# Altium PCB openmv-ae3.PcbDoc (part 3 of 5)
Units mil, origin at the board's own origin, x right, y up, seen from the top; angles counter-clockwise.
Board outline 1400 x 1750 mil, 10 copper layers (Top, L2G, L3V, L4P, L5H, L6V, L7P, L8H, L9G, Bottom Layer), stack 46.28 mil thick; 351 components, 311 nets, 1344 pads, 643 vias.
Unrouted connection lines stored in the file: 8.
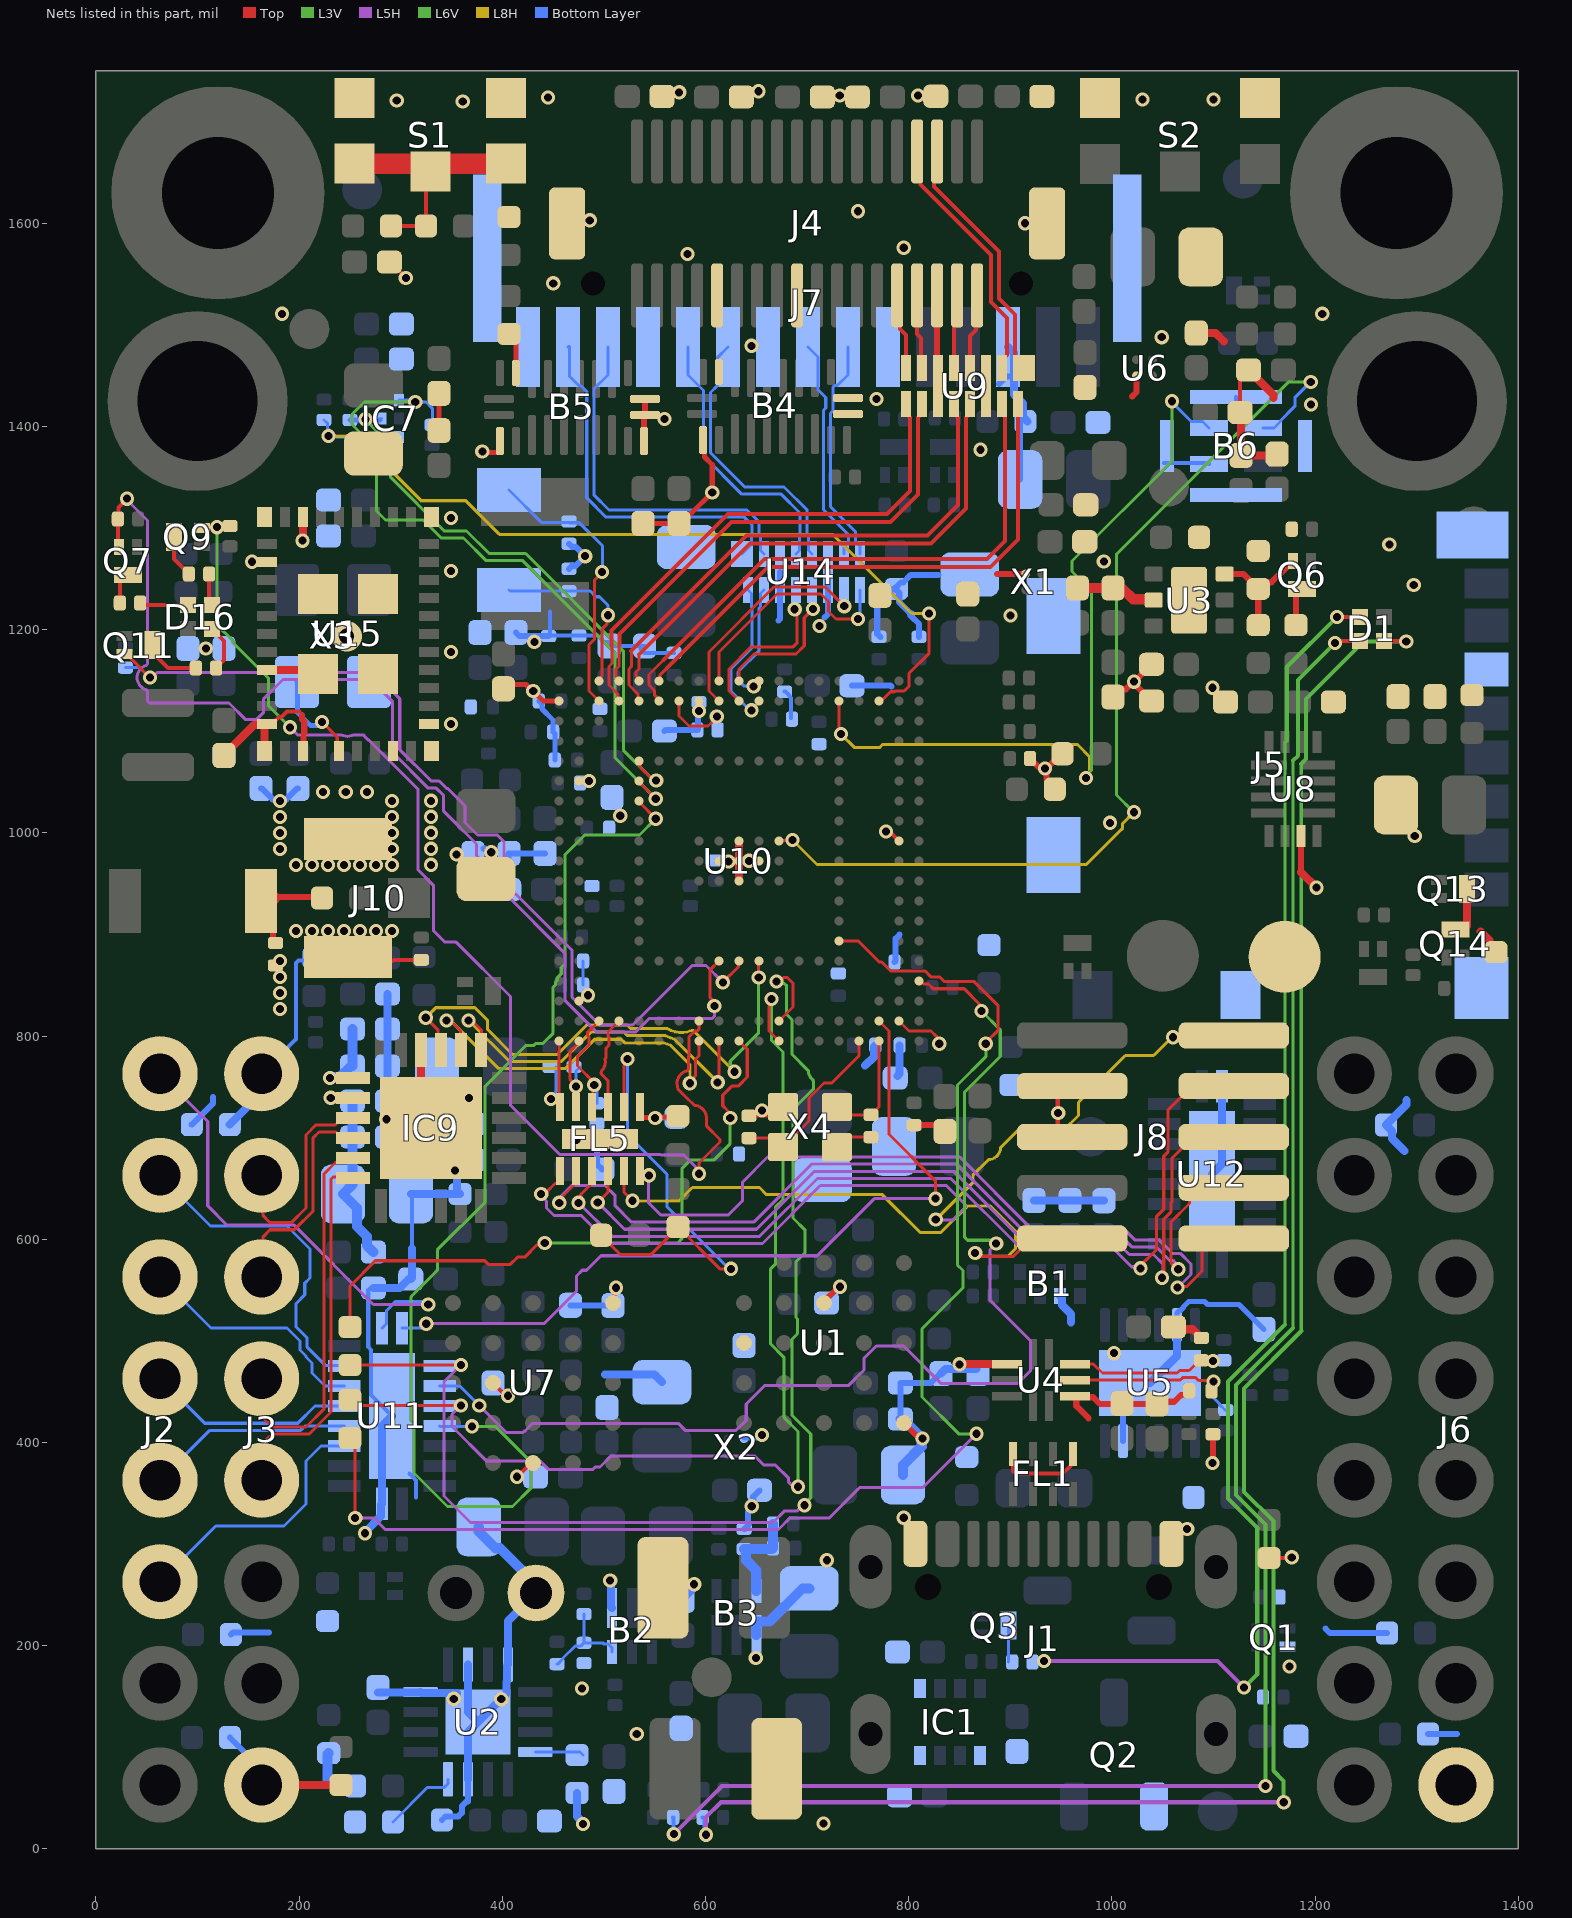
[diagram p11: the nets of this part, all layers, seen from the top]

## Via types
v1: diameter 14, hole 8, Top to Bottom Layer, tented both sides, 631 vias
v2: diameter 25, hole 15, Top to Bottom Layer, tented both sides, 7 vias
v3: diameter 30, hole 15, Top to Bottom Layer, tented both sides, 3 vias
v4: diameter 14/14/0/14/14/14/14/0/14/14 (per signal layer), hole 8, Top to Bottom Layer, tented both sides, 2 vias

## Nets (pads, with @x,y where several pads share a name; then routed paths per layer and width w, separated by ;. In a path a pad name is that pad's centre, name@x,y a point inside that pad or via, vN(x,y) a via of type N, cw(c..) or ccw(c..) an arc to the next point about the centre after c; other vN are vias at no path point) (continued)
ETH_TXD0: IC9.20 U10.A12 | length 381.7
  Top w3: v1(345.07,815.5) 347.17,813.4 351.05,813.4 358.55,805.89 358.55,787.12 IC9.20@359.25,786.42 ; v1(584.5,753.74) 584.5,755.5 590,761 590,777.25 593.5,780.76 U10.A12@593.5,795.28
  L8H w3: v1(345.07,815.5) 348.05,815.5 351.24,812.31 352.14,812.31 396.44,768 462,768 491,797 516.82,797 520.33,793.49 558.85,793.49 ccw(c576.09,830.14) 565.47,791.06 583.62,772.9 584.5,772.02 v1(584.5,753.74)
ETH_TXD1: IC9.21 U10.E9 | length 524.1
  Top w3: v1(324.55,818.13) 336.79,805.89 336.79,789.19 IC9.21@339.56,786.42 ; v1(652.26,857.65) 652.28,873.74 U10.E9@652.56,874.02
  L3V w3: v1(628.5,764.94) 628.5,767.91 624.27,772.14 624.27,775.27 652.26,803.26 v1(652.26,857.65)
  L8H w3: v1(324.55,818.13) 334.42,828 373,828 385.51,815.49 385.51,806.51 410.02,782 454,782 483,811 522.62,811 526.12,807.49 562.33,807.49 ccw(c576.09,830.14) 586.04,805.58 586.61,805.58 587.85,805.58 588.73,804.7 v1(628.5,764.94)
ETH_TXEN: IC9.19 U10.A11 | length 371.5
  Top w3: v1(366.62,815.5) 368.73,813.4 371.9,813.4 379.4,805.89 379.4,786.88 IC9.19@378.93,786.42 ; v1(611.87,754.56) 613.19,755.88 U10.A11@613.19,795.28
  L8H w3: v1(366.62,815.5) 407.12,775 458,775 487,804 519.72,804 523.23,800.49 560.49,800.49 ccw(c576.09,830.14) 569.03,797.39 569.64,796.78 v1(611.87,754.56)
ETH_VDD_1.2: C83.2 C84.1 IC9.1 | length 62.5
  Bottom Layer w10: v1@231.08,759.62 240.02,759.62 251.07,770.67 C84.1@252.56,770.67 C83.2@252.56,807.09
  other v1: 230.31,758.86
ETH_VDDA_3.3: C81.1 C82.2 C85.1 IC9.2 L8.1 | length 187.6
  Bottom Layer w10: v1(231.12,739.3) 231.88,738.53 250.25,738.53 C81.1@252.56,736.22 C82.2@252.56,700.79 252.56,654.13 C85.1@243.11,644.68 256.98,630.82 256.98,612.62 266.74,602.86 266.74,593.89 L8.1@273.03,587.6
FB_1V8: B3.3 C48.1 R17.2 R22.2 | length 98.2
  Bottom Layer w10: R22.2@637.95,295.12 R22.2@638.9,295.12 ; B3.3@649.93,254.07 649.93,274.07 639.9,284.1 639.9,294.12 R22.2@638.9,295.12 ; R17.2@666.34,319.88 C48.1@666.32,296.26 666.32,296.12 665.32,295.12 R22.2@638.9,295.12
FB_3V3: B2.3 C47.1 R20.1 R21.2 | length 97.7
  Bottom Layer w3: C47.1@453.74,181.91 454.43,181.91 459.74,187.23 459.74,187.91 471.47,199.65 477.05,199.65 R21.2@480.32,202.91 ; R20.1@480.32,231.14 R21.2@480.32,202.91 ; B2.3@507.87,193.9 507.87,198.14 504.45,201.56 500.21,201.56 498.86,202.91 R21.2@480.32,202.91
FEED: ANT1.1 C78.1 L6.1 | length 89.8
  Top w6: ANT1.1@173.23,937.01 L6.1@217.32,937.01 ; C78.1@174.22,891.73 ANT1.1@174.22,936.02
  Top w13.78: ANT1.1@173.23,937.01 ANT1.1@174.22,936.02
GND: B1.2 B2.4 B3.4 B4.1 B4.11 B4.12 B4.21 B5.1 B5.10 B5.11 B5.12 B5.21 B6.4 B6.5 B6.6 B6.7 B6.8 C1.2 C2.2 C3.1 C4.1 C5.1 C6.2 C7.2 C8.1 C9.1 C10.1 C11.2 C12.1 C13.2 C14.1 C15.2 C16.2 C17.2 C18.2 C19.2 C20.2 C21.2 C22.2 C23.1 C24.1 C25.2 C26.2 C27.1 C28.2 C29.1 C30.1 C31.2 C32.2 C33.1 C34.2 C35.1 C36.2 C37.2 C38.1 C39.1 C40.1 C41.2 C42.1 C43.2 C44.1 C45.2 C46.2 C49.1 C50.1 C51.2 C52.1 C53.2 C54.2 C55.1 C56.1 C57.2 C58.2 C59.2 C60.2 C61.2 C62.2 C63.2 C64.2 C65.1 C66.2 C67.2 C68.2 C69.2 C70.2 C71.2 C72.2 C73.2 C74.2 C75.2 C76.2 C77.2 C78.2 C79.1 C80.1 C81.2 C82.1 C83.1 C84.2 C85.2 C86.1 C87.1 C88.2 C89.2 C90.1 C91.1 C92.1 C93.2 C94.1 C95.1 C96.2 C97.2 C98.1 C99.1 C100.1 C101.1 C102.1 C103.1 C104.1 C105.1 C106.1 C107.1 C108.2 C109.1 C110.2 C111.1 C112.2 C113.1 C114.2 C115.2 C116.2 C117.1 C118.2 C119.1 C120.2 C121.1 C122.2 C123.1 C124.2 C125.1 C126.2 C127.2 C128.2 C129.1 C130.2 C131.1 C132.2 C133.1 C134.1 C135.1 C136.2 C137.1 C138.2 C139.2 C140.1 C141.1 C142.1 C143.1 CN1.2 D2.2 D4.2 D5.2 D6.2 D7.2 D8.2 D9.2 D10.2 D11.2 D12.2 D13.2 D14.2 D15.2 D18.2 D19.2 D20.2 D21.2 D22.2 D23.2 FL1.5 FL1.8 FL5.13 IC1.1 IC1.4 IC1.5 IC7.3 IC9.22 IC9.25 J1.A1_B12 J1.B1_A12 J3.1 J4.5 J4.19 J4.27 J4.M J5.CD$2 J5.P$6 J5.SH J6.1 J7.1 J7.4 J7.7 J7.10 J7.13 J7.M1 J7.M2 J8.3 J8.5 J10.2 J10.3 Q1.2 Q2.G R3.2 R6.2 R7.2 R9.2 R10.2 R11.2 R12.2 R21.1 R22.1 R27.2 R38.2 R41.2 R55.1 R58.1 R69.2 R70.1 R71.2 R78.2 R81.1 R82.1 R96.1 R100.1 S1.1 S1.5 S2.1 S2.5 TP2.1 U1.B3 U1.C1 U1.E5 U2.4 U2.6 U2.8 U2.15 U2.17 U3.2 U4.3 U4.8 U5.5 U5.11 U5.13 U6.B1 U7.B3 U7.C1 U7.E5 U8.7 U9.3_14 U9.6_11 U10.B2 U10.C18 U10.J10 U10.K9 U10.K10 U10.K11 U10.L2 U10.L10 U10.P18 U10.V12 U10.V19 U11.11 U11.EP U12.11 U12.EP U14.3_14 U14.6_11 U15.1 U15.12 U15.19 U15.21 U15.23 U15.29 U15.32 U15.33 U15.35 U15.40 U15.42 U15.43 U15.44 U15.45 U15.46 X1.B1 X2.B1 X3.2 X4.2 X4.4 | length 5996.4
  Top w3: U10.C18@475.39,834.65 476.94,834.65 482.64,840.35 v1(484.3,840.35) ; C134.1@642.72,721.63 667.5,721.63 X4.2@676.18,730.31 ; X4.4@729.33,690.94 739,700.61 C135.1@762.79,700.61 ; U10.B2@790.35,814.96 800.25,805.06 821.94,805.06 827.05,799.95 827.05,799.76 827.9,798.91 827.9,794.6 v1(830,792.5)
  Top w4: U15.32@168.31,1107.29 173.24,1107.29 U15.32@176.95,1111 ; U15.32@177,1111 180.14,1114.14 182.75,1114.14 188.02,1119.41 200.2,1119.41 ; C133.1@288.78,1562.01 289.49,1562.01 304.95,1546.54 v1(304.95,1546.26) ; 292,874 293.14,875.14 C77.2@320.16,875.14 ; U7.B3@390.75,458.66 403.34,446.07 v1(405.45,446.07) ; v1(414.45,366.35) 428.02,379.92 U7.C1@430.12,379.92 ; U7.E5@508.86,537.4 510.38,538.93 510.38,550.85 v1(511.91,552.37) ; v1(777.5,1001.42) 779.41,999.51 782.84,999.51 790.23,992.13 U10.L2@790.35,992.13 ; FL1.8@902.56,388.78 902.73,388.61 902.73,371.71 905.07,369.37 951.37,369.37 959.68,377.68 959.68,386.85 FL1.5@961.62,388.78 ; J8.5@946.62,701.01 946.62,740.33 957.08,750.79 J8.3@960.82,750.79 ; C22.2@1126.13,1414 1126.13,1446.24 1133,1453.11 C137.1@1133,1459 ; R7.2@1154.53,286.42 1176.3,286.42 v1(1176.97,287.08)
  Top w5: J10.2@248.03,878.94 J10.2@252.79,874.18 ; C67.2@337.6,1396.06 C68.2@337.6,1432.68 ; v1(380.25,1375.5) 381.2,1374.55 396.2,1374.55 397.64,1375.98 B5.1@397.64,1385.83 ; C88.2@404.53,1146.26 423.25,1146.26 429.81,1139.7 v1(430.34,1139.7) 440.12,1129.92 U10.V19@455.71,1129.92 ; D12.2@406.5,1491.14 413.39,1484.25 B5.21@413.39,1452.76 ; C66.2@533.47,1299.81 C66.2@538.39,1304.72 574.69,1304.72 584.07,1314.1 585.4,1314.1 v1(606.54,1335.24) 606.54,1362.47 598.88,1370.13 598.88,1385.37 B4.1@597.44,1386.81
  Top w6: 202.81,1116.26 202.81,1111.99 205,1109.8 205,1098.2 204.08,1097.28 204.08,1081.04 U15.35@203.74,1080.71 ; B5.10@539.37,1385.83 539.37,1410.48 B5.11@540.31,1411.42 ; B5.11@540.35,1411.42 B5.12@540.35,1427.17 ; U1.B3@716,538 731.32,553.32 v1(732.36,553.32) ; U1.E5@795.28,419.29 808.96,405.61 812.04,405.61 v1(813.57,404.08) ; C129.1@805.12,712.42 829.5,712.42 C128.2@835.63,706.3 ; J4.5@827.95,1529.13 827.95,1440.75 U9.6_11@828.74,1439.96 ; 886.97,1255 X1.B1@915,1255 ; R27.2@919.38,1073.29 919.38,1071.79 922.38,1068.79 923.88,1068.79 927.6,1065.08 932.61,1065.08 v1(934.15,1063.55) ; D9.2@943.7,1043 943.7,1044.96 935.68,1052.99 935.68,1062.02 v1(934.15,1063.55) ; D11.2@951.3,1078 950.52,1078 942.1,1069.58 941.66,1069.58 935.63,1063.55 v1(934.15,1063.55) ; FL1.5@961.62,388.78 FL1.5@961.62,396.09 ; 977,424 964.82,436.18 U4.3@964.82,444.67 ; C60.2@1001,1133.87 1008.59,1141.46 1013.72,1141.46 1021.21,1148.95 v1(1021.61,1148.95) ; 1019.98,1429.81 1024.13,1433.95 U6.B1@1024.13,1450.13 ; C38.1@1038,439 1039.19,440.19 1061.19,440.19 1067.76,446.76 1073,446.76 1076,449.76 C100.1@1076,451 ; C21.2@1038.87,1130 1021.61,1147.26 v1(1021.61,1148.95) ; C61.2@1038.87,1166 1021.82,1148.95 v1(1021.61,1148.95) ; C38.1@1044.29,437.99 988.01,437.99 981.33,444.67 U4.3@967.82,444.67 ; v1(1099,380) 1099.41,380.41 R69.2@1099.41,408.15 ; 1186.02,961.36 U8.7@1186.02,997.05 ; U4.3@963.8,445.68 966.8,445.68 U4.3@967.82,444.67 ; U4.3@963.8,445.68 U4.3@963.52,445.68 964.54,444.67 U4.3@964.82,444.67 ; U4.3@963.8,445.68 U4.3@964.82,444.67 ; U4.3@964.82,444.67 U4.3@967.82,444.67
  Top w8: C74.2@125.59,1076.38 155.58,1106.37 U15.32@165.84,1106.37 ; J3.1@162.99,62.99 D5.2@241.14,62.99 ; U15.33@165.84,1080.71 U15.32@165.84,1106.37 ; U15.29@167.39,1161.36 U15.29@168.31,1160.44 214.56,1160.44 U15.45@218.5,1156.5 ; U15.32@168.31,1107.29 166.76,1107.29 U15.32@165.84,1106.37 ; v1(203.38,1287.71) 203.74,1288.07 U15.19@203.74,1311.03 ; IC9.22@319.88,786.42 319.88,719.49 IC9.25@329.72,709.65 ; U10.K11@613.19,972.44 U10.K10@632.87,972.44 ; U10.J10@632.87,952.76 U10.K10@632.87,972.44 ; U10.L10@632.87,992.13 U10.K10@632.87,972.44 ; v1@648.33,186.84 v1(649.47,187.99) ; U10.K9@652.56,972.44 U10.K10@632.87,972.44 ; v1(850,477) 850.18,477.18 U4.8@896.71,477.18 ; C31.2@1057,514 1059.48,511.52 1079.48,511.52 1084.5,506.5 1084.5,505 1086.5,503 C101.1@1088,503 ; C62.2@1083,1492.13 1101.87,1492.13 1110,1484 ; C22.2@1128,1414 1126.97,1412.97 C87.1@1126.97,1371.46 1162.54,1371.46 C25.2@1163,1371 ; C137.1@1134.45,1455.71 1159.08,1431.07 1159.08,1428.26 ; 1186.02,961.36 v1(1201.2,946.19) ; 1363,903 1371.52,894.48 1371.52,889.18 D22.2@1378,882.7 D22.2@1378,882.94
  Top w10: C53.2@966,1241.13 C18.2@1001,1241.13 1009.87,1241.13 1021,1230 1040.29,1230 U3.2@1041.06,1229.23
  Top w13.78: J10.2@213.78,872.83 220.47,866.14 235.24,866.14 J10.2@248.03,878.94
  Bottom Layer w3: C111.1@479.5,850.39 C104.1@479.5,874.02
  Bottom Layer w4: C70.2@271,553 268,550 268,494 270.84,491.16 270.84,446.68 U11.EP@291.34,426.18 ; U11.EP@308.38,369.36 308.66,369.36 311.84,366.18 311.84,365.9 315,362.74 315,346 ; C85.2@310.04,644.68 311,643.72 311,591 ; C119.1@445,1194 445.24,1194.24 C119.1@446.02,1194.24 ; C119.1@445.56,1193.78 C119.1@446.02,1194.24 ; 447,1218 447,1195.22 C119.1@446.02,1194.24 ; C126.2@504,1184 539.87,1184 C122.2@540,1184.13 ; C126.2@504,1188 499.98,1188 493.74,1194.24 C102.1@475.39,1194.24 C119.1@446.02,1194.24 ; C122.2@536,1181 539.66,1177.34 C123.1@568.9,1177.34 ; X2.B1@637.87,403.87 655.48,403.87 v1(655.48,407.55) ; C99.1@677.69,1139.06 678.65,1139.06 682.57,1135.13 682.57,1134.17 684,1132.74 R71.2@684,1113 ; B6.7@1051,1364 1094.66,1364 B6.4@1095.47,1363.19 ; 1122,1407 B6.5@1122.05,1429.13 B6.5@1122.05,1429.13
  Bottom Layer w5: C127.2@435.85,1129.92 439.04,1126.73 439.04,1121.96 449.61,1111.39 449.61,1099.78 C125.1@449.98,1099.41 451.6,1097.79 C113.1@451.6,1071.85 ; U5.11@1063.98,515.75 1063.98,527.56 1066.4,529.98 1067.41,529.98 1070.33,532.91 1070.33,533.71 1075.55,538.92 1091.08,538.92 1094,536 1125.02,536 C72.2@1149.61,511.42
  Bottom Layer w6: D19.2@94.3,713 115,733.71 115,740 ; D4.2@131.83,109.72 162.99,78.56 J3.1@162.99,62.99 ; D20.2@132.7,211 134.71,213 170,213 ; C86.1@162.4,1043.9 163.01,1043.9 173.87,1033.03 179.57,1033.03 v1(181.1,1031.5) 182.63,1033.03 187.35,1033.03 198.21,1043.9 C76.2@198.82,1043.9 ; R11.2@340.55,28.54 344.16,32.16 356.67,32.16 360.19,35.67 360.19,42.19 365,47 366.14,47 U2.15@366.14,68.5 ; C132.2@381.54,984.8 381.86,984.49 383.35,984.49 386.84,981 v1(389,981) ; C130.2@406.21,944.41 406.21,979.63 C112.2@406.5,979.92 C120.2@441.93,979.92 ; C118.2@413.39,1197.24 416.85,1193.78 C119.1@445.56,1193.78 ; C136.2@465.55,1260.02 468.55,1263.02 472,1263.02 v1(481.47,1272.49) 472.34,1281.62 468.55,1281.62 C138.2@465.55,1284.62 ; C59.2@467,535.13 510.87,535.13 C15.2@511,535 ; 493,695 493,674.13 C2.2@498.13,669 ; C115.2@559.45,1100.39 560.52,1101.47 R70.1@591.87,1101.47 ; R70.1@591.96,1101.37 R70.1@591.87,1101.47 ; v1(593.5,1120.08) 592.44,1119.02 592.44,1102.05 R70.1@591.87,1101.47 ; R22.1@637.95,315.12 638.72,315.12 641.72,318.12 641.72,331.55 643.86,333.69 643.86,335.24 641.72,337.39 643.23,337.39 646.92,341.08 646.92,346.8 C58.2@653.13,353 ; 671.65,1209.14 673.23,1210.71 U14.3_14@673.23,1256.89 ; 717.11,1212.14 720.47,1215.51 U14.6_11@720.47,1256.89 ; C97.2@744.13,1145 782,1145 783,1144 ; C109.1@772,1193 769,1196 769,1225.3 D23.2@784,1240.3 ; C106.1@786.07,873.03 786.96,873.93 786.96,895.96 791,900 ; D23.2@787,1239 D23.2@787,1240 ; C7.2@791.73,423.23 C12.1@791.73,458.66 821.84,458.66 831.09,467.91 C30.1@831.69,467.91 ; 803.01,1216.18 803.01,1212.86 ; C56.1@810.04,1193.09 810.04,1205.82 803.01,1212.86 ; 829,1254 802,1254 794.57,1246.57 792.22,1246.57 787,1241.34 D23.2@787,1240 ; J7.13@888.64,1441.85 896,1449.21 J7.13@898.5,1449.21 ; C139.2@909.54,1348 D21.2@909.54,1404.91 ; U5.5@1010.83,401.57 1010.83,436.83 U5.13@1016,442 ; 1210,217 1214.4,212.6 D7.2@1270.67,212.6 ; D14.2@1311.03,113.19 1339.7,113.19 ; J6.1@1338.58,62.99 J6.1@1338.58,65.22 ; D23.2@787,1240 790.62,1236.38 790.62,1227.18 801,1216.8 801,1214.86 803.01,1212.86
  Bottom Layer w8: J3.1@162.99,62.99 221.34,62.99 ; v1@264.8,311.79 280.59,327.58 280.59,338.87 U11.11@281.5,339.78 281.5,416.34 U11.EP@291.34,426.18 ; C70.2@273.03,552.17 299.01,552.17 307.84,561 C69.2@309.87,561 311,562.13 311,591 ; C8.1@277.56,153.94 318.89,153.94 U2.4@319.48,154.53 320.36,153.66 U2.17@355.1,153.66 ; C82.1@286.81,700.79 C81.2@286.81,736.22 C84.2@286.81,770.67 C83.1@286.81,807.09 C65.1@286.81,841.54 ; C85.2@310.04,644.68 R38.2@358.27,644.68 355.26,647.69 355.26,664.28 353.36,666.17 v1(353.36,667.8) 354.51,668.95 360.42,668.95 369.62,678.15 C89.2@371.65,678.15 C90.1@371.65,713.58 ; U2.15@366.14,68.5 366.14,115.16 U2.17@375.98,125 ; U2.6@366.14,181.5 366.14,134.84 U2.17@375.98,125 ; 409.79,282.43 428,264.22 433.07,259.15 CN1.2@433.07,251.97 405.51,224.41 U2.8@405.51,181.5 404.39,180.38 404.39,164.74 403.92,164.27 403.92,152.94 U2.17@375.98,125 ; R10.2@473.43,55.12 473.43,32.14 479.33,26.23 v1(479.33,24.61) ; 501,467 501.07,466.93 549.54,466.93 C29.1@557,459.46 ; v1(506.1,264.37) 506.99,263.48 506.99,238.09 B2.4@507.87,237.2 ; C49.1@577.76,244.49 577.76,246.52 587.58,256.35 587.58,259.39 v1(588.73,260.53) ; 757,771 765.64,779.64 765.64,789.64 C55.1@767,791 ; C17.2@789,761 791,763 C141.1@791,791 ; C30.1@831.69,467.91 836.21,472.43 C28.2@866.36,472.43 ; J7.13@897.64,1478.35 903.38,1472.6 903.38,1431.62 912.36,1422.64 912.36,1409.64 D21.2@917,1405 ; C41.2@923.23,638.19 C43.2@958.66,638.19 991.94,638.19 C71.2@992,638.13 ; B1.2@948.82,544.29 950.72,542.39 950.72,535.35 959.57,526.5 959.57,518.48 ; U5.13@1037.4,458.66 1063.98,485.24 U5.11@1063.98,515.75 ; U12.EP@1098.43,664.37 1108.27,674.21 U12.11@1108.27,750.78 ; 1288,687 1275.57,699.43 1275.57,706.71 D15.2@1269.68,712.6 1290,732.92 1290,737
  Bottom Layer w10: 228,65 228,93.3 D2.2@229,94.3 ; v1(264.8,310.74) v1@264.8,311.79 ; C45.2@376.76,317 376.76,312.53 393.24,296.05 397.71,296.05 428,265.76 428,264.22 CN1.2@428,259 ; B3.4@649.93,210.76 649.93,223.73 650.01,223.81 662.81,223.81 695.46,256.46 C46.2@702,256.46 ; C7.2@791.73,423.23 797.57,417.39 800.26,417.39 v1(813.57,404.08) 812.8,403.31 812.8,396.32 794.29,377.81 C14.1@794.29,368.11
  other v1: 716,25 532.3,113.24 398.92,147.49 352.13,147.8 478.45,157.98 1174.66,179.65 719.32,284.21 1074,315 795,326 645.39,337.39 1002,488 473,698 285.76,718.19 947,724.5 655.6,726.82 367,739 181.1,826.77 181.1,842.52 181.1,858.27 181.1,874.02 196.85,903.54 212.6,903.54 228.35,903.54 244.09,903.54 259.84,903.54 275.59,903.54 291.34,903.54 196.85,968.5 212.6,968.5 228.35,968.5 244.09,968.5 259.84,968.5 275.59,968.5 291.34,968.5 329.66,968.67 622.43,971.88 642.69,972.59 355,979 181.1,984.25 291.34,984.25 329.66,984.42 1298,997 181.1,1000 291.34,1000 329.66,1000.17 998,1010 181.1,1015.75 291.34,1015.75 329.66,1015.92 516,1017 291.34,1031.5 329.66,1031.67 223.43,1040.35 245.85,1040.42 266.86,1040.47 485.24,1051.18 349.41,1107.28 1099,1143 349.41,1178.14 108.09,1181.63 431.45,1188.15 712.03,1203.63 900,1214 1297,1244 349.41,1257.87 153.49,1266.99 992,1267.24 1273,1284 349.41,1310.04 870.61,1377.24 559.69,1407.59 1195.93,1421.69 768.09,1427.06 645.1,1479.5 1049,1488 183,1511 1207,1511 450,1541 582.21,1569.99 795,1576 914.43,1600.2 486,1603 750,1612 361,1720 296,1721 1030,1722 1100,1722 445,1724 732,1726 809,1726 574,1729 652,1730
  other v3: 246.68,1193.65
HFXO_N: C135.2 U10.A3 X4.1 | length 113.7
  Top w3: X4.1@729.33,730.31 737.03,722.61 C135.2@762.79,722.61 ; C135.2@762.11,722.61 C135.2@762.79,722.61 ; U10.A3@770.67,795.28 770.67,730.49 768.79,728.61 768.79,727.93 763.48,722.61 C135.2@762.79,722.61
HFXO_P: C134.2 U10.A4 X4.3 | length 177.1
  Top w3: C134.2@642.72,699.63 667.5,699.63 X4.3@676.18,690.94 676.49,690.94 689.44,703.9 689.44,704.21 701.77,716.53 701.77,739.26 716.45,753.94 724.19,753.94 750.98,780.73 U10.A4@750.98,795.28
ILIM: R10.1 U2.12 | length 48.1
  Bottom Layer w3: U2.12@432.48,95.47 476.38,95.47 R10.1@479.33,92.52
INT_I2C_INT: IC7.4 R37.1 U10.V3 | length 845
  Top w3: U10.V3@770.67,1129.92 772.21,1129.92 774.34,1132.05 775.05,1132.05 782,1139 785.59,1139 786.3,1139.71 795.44,1139.71 800.14,1144.4 800.14,1157.14 820,1177 v1(820,1216)
  L8H w3: v1(228.94,1390.71) 256.29,1390.71 320,1327 364,1327 397,1294 725,1294 803,1216 v1(820,1216)
  Bottom Layer w3: R37.1@224.41,1406.54 227.99,1402.96 227.99,1398.01 236.04,1389.96 IC7.4@280.91,1389.96
INT_I2C_SCL: IC7.1 R15.1 U10.P15 | length 701.1
  Top w3: U10.P15@534.45,1050.29 v1(551,1033.74)
  L6V w3: v1(314.27,1424.23) 264.23,1424.23 252,1412 252,1402 276,1378 276,1317 285,1308 292,1308 292.05,1308.05 322.05,1308.05 339.81,1290.29 361.81,1290.29 384.1,1268 420.05,1268 511,1177.05 511,1073.74 v1(551,1033.74)
  Bottom Layer w3: IC7.1@298.23,1426.18 312.32,1426.18 v1(314.27,1424.23) 324.77,1424.23 331,1418 331,1402.02 R15.1@330.71,1401.73
INT_I2C_SDA: IC7.5 R35.1 U10.R15 | length 567.7
  Top w3: U10.R15@534.45,1069.98 535.34,1069.08 535.34,1065.24 548.85,1051.74 v1(551.36,1051.74)
  L6V w3: v1(265.16,1407.18) 290,1382.34 290,1350 342.67,1297.33 364.67,1297.33 387,1275 422.95,1275 519,1178.95 519,1081.58 548.85,1051.74 v1(551.36,1051.74)
  Bottom Layer w3: IC7.5@279.37,1406.54 IC7.5@280.91,1408.07
  Bottom Layer w5: R35.1@250,1406.54 IC7.5@279.37,1406.54
ISET: R12.1 U2.16 | length 74
  Bottom Layer w3: R12.1@292.32,26.57 326.38,60.64 342.83,60.64 346.45,64.26 U2.16@346.45,68.5
JTAG_RST_N: FL5.1 R48.1 R51.1 | length 69.1
  Top w5: FL5.1@535.43,730.32 535.43,721.42 536.87,719.98 548.87,719.98 v1@550.35,721.46 ; v1(550.35,719.41) 551.37,720.43 571.81,720.43 R48.1@572.83,721.46
  Bottom Layer w5: v1(550.35,719.41) 550.49,719.56 570.86,719.56 R51.1@571,719.7
JTAG_RST_N_EXT: FL5.12 J8.10 | length 777.4
  Top w3: FL5.12@535.43,667.32 535.43,665.46 537.87,663.02 v1(544.4,663.02) ; v1(1064.5,552.59) 1065.62,553.71 1073.64,553.71 1088.77,568.84 1088.77,589.87 1099.69,600.79 J8.10@1119.88,600.79
  L5H w3: v1(544.4,663.02) 543.6,662.22 543.6,636.4 556,624 622.4,624 636.29,637.89 636.29,656.29 661,681 850.06,681 919.06,612 1010.02,612 1022.4,599.62 1046.25,599.62 1059.54,586.33 1067.11,586.33 1077.7,575.75 1077.7,565.39 1064.89,552.59 v1(1064.5,552.59) v1@1061.09,549.18
JTAG_TCK: FL5.4 R55.2 U10.B17 | length 117.7
  Top w3: FL5.4@488.19,730.32 489.28,731.41 v1@489.28,748.64 ; v1(490.37,752.1) 490.37,754.28 473.97,770.68 473.97,780.01 485.18,791.22 485.18,799.33 483.56,800.95 483.56,803.44 U10.B17@495.08,814.96
  Bottom Layer w3: v1(490.37,752.1) 490.37,749.12 493,746.5 R55.2@493,734
JTAG_TCK_EXT: FL5.9 J8.4 | length 905.1
  Top w3: v1(475,636) 477.1,638.1 477.1,644.1 485.76,652.76 485.76,664.88 FL5.9@488.19,667.32 ; v1(1027.93,571.5) 1027.93,573.97 1043.96,590 1043.96,622.75 1050.96,629.75 1050.96,681.85 1055,685.9 1055,727 1078.79,750.79 J8.4@1119.88,750.79
  L5H w3: v1(475,636) 508,603 653.1,603 710.1,660 841.36,660 910.36,591 1001.33,591 1019.24,573.08 1026.34,573.08 v1(1027.93,571.5)
JTAG_TDI: FL5.5 R50.1 U10.A18 | length 92.1
  Top w3: FL5.5@472.44,730.32 472.44,751.65 466.34,757.75 466.34,784.68 475.39,793.73 U10.A18@475.39,795.28
  Bottom Layer w3: v1(472.44,750.5) 472.44,765.77 R50.1@476.39,769.72
JTAG_TDI_EXT: FL5.8 J8.8 | length 867
  Top w3: 459.63,642.63 470.01,653.01 470.01,664.88 FL5.8@472.44,667.32 ; v1(1065.2,570.57) 1064.49,570.57 1057.96,577.11 1057.96,616.96 1076.25,635.25 1076.25,639.87 1087.17,650.79 J8.8@1119.88,650.79
  L5H w3: v1(456,636) 458.1,638.1 458.1,643.1 468,653 501,653 511,643 511,633 527,617 647.3,617 704.3,674 847.16,674 916.16,605 1007.12,605 1019.5,592.62 1043.35,592.62 1056.64,579.33 1060.18,579.33 1061.94,577.58 1061.94,576.81 1065.2,573.55 v1(1065.2,570.57)
JTAG_TDO: FL5.3 U10.B16 | length 94.7
  Top w3: FL5.3@503.93,730.32 503.93,756.13 500.03,760.03 ccw(c490.37,752.1) 498.29,761.77 cw(c500.23,764.06) 498.02,766.08 ccw(c488.78,774.5) 501.13,776.44 501.13,776.66 501.13,777.91 502.08,778.86 502.08,788.43 504.87,791.22 504.87,799.33 503.93,800.26 503.93,804.13 U10.B16@514.76,814.96
JTAG_TDO_EXT: FL5.10 J8.6 | length 869
  Top w3: v1(493.86,636.42) 503.93,646.5 FL5.10@503.93,667.32 ; v1(1049.27,562.18) 1050.96,563.87 1050.96,619.85 1057.96,626.85 1057.96,635.96 1059,637 1059,680 1079.79,700.79 J8.6@1119.88,700.79
  L5H w3: v1(493.86,636.42) 520.28,610 650.2,610 707.2,667 844.26,667 913.26,598 1004.23,598 1017.03,585.19 1040.81,585.19 1050.09,575.91 1050.09,563 v1(1049.27,562.18)
JTAG_TMS: FL5.6 R49.1 U10.A19 | length 98.9
  Top w3: U10.A19@455.71,795.28 455.71,731.3 FL5.6@456.69,730.32
  Bottom Layer w3: v1(447.83,738.19) 447.83,740.51 452.77,745.45 R49.1@452.77,769.72
JTAG_TMS_EXT: FL5.7 J8.2 | length 866.5
  Top w3: v1(438.17,644.66) 440.28,646.76 443.53,646.76 451.81,655.04 454.26,655.04 456.69,657.47 FL5.7@456.69,667.32
  L8H w3: v1(826.57,619.45) 863,655.88 863,663 878.45,678.45 ccw(c877.95,690.94) 890.44,690.44 908,708 953,708 967.01,722.01 967.01,734.91 1013.1,781 1041,781 v1@1060,800
  L5H w3: v1(438.17,644.66) 438.17,642.73 443.5,637.4 443.5,630.82 450.82,623.5 477.6,623.5 505.1,596 656,596 713,653 837,653 855.76,634.24 855.76,631.76 843,619 827.02,619 v1(826.57,619.45)
  other v1: 1060,799
JTAG_TRSTB: FL5.2 R52.2 R53.2 | length 459.7
  Top w3: R53.2@497.3,604 516.3,585 546,585 R52.2@572,611 ; FL5.2@519.68,730.32 519.68,770.94 523.26,774.52 v1(523.26,777.5) ; R52.2@572.64,612.01 R52.2@572.83,612.2 614.04,571 v1@624,571
  Bottom Layer w3: v1(523.26,777.5) 523.26,702.74 562,664 562,632 v1@624,570
  other v1: 625,571
JTAG_TRSTB_EXT: FL5.11 J8.9 | length 568.7
  Top w3: FL5.11@519.68,667.32 519.68,646.38 v1(528.06,638) ; v1(865.35,586.49) 868.32,586.49 871.82,583 902.55,583 J8.9@918.04,598.49
  L8H w3: v1(528.06,638) 574,638 587,651 653,651 660,644 774,644 811.05,606.95 831.75,606.95 857.51,632.72 880.28,632.72 905,608 905,590.76 897.74,583.5 872.6,583.5 v1@871.72,584.39
LED_B: Q11.3 R63.1 | length 41.2
  Top w4: Q11.3@61.2,1172.3 71.09,1162.4 R63.1@98.27,1162.4
LED_B_D: D16.1 R63.2 | length 47
  Top w4: D16.1@114.17,1200.79 126,1188.96 126,1170.24 123.66,1167.9 122.81,1167.9 118.27,1163.36 R63.2@118.27,1162.4
LED_B_INT: Q11.2 R87.1 U10.E10 | length 921
  Top w3: Q11.2@28.22,1176.14 31.17,1176.14 34.59,1172.72 34.59,1171.4 v1(53.03,1152.97) ; v1(617,853) 632.19,868.19 632.19,873.33 U10.E10@632.87,874.02
  L5H w3: v1(53.03,1152.97) 55.26,1152.97 60.29,1158 273,1158 299,1132 299,1082.07 329.9,1051.17 337.74,1051.17 344.9,1044 346,1044 363.28,1026.72 363.28,1010.3 375.58,998 395,998 401.5,991.5 401.5,951.56 468.5,884.56 468.5,838.47 473.4,833.57 473.4,833.4 495.8,811 528.21,811 586.72,869.51 600.49,869.51 v1(617,853)
  Bottom Layer w3: R87.1@28.99,1162.66 43.34,1162.66 v1(53.03,1152.97)
LED_CHG: D1.3 R1.2 | length 1883.5
  Top w4: D1.3@1267.72,1188.98 1289.02,1188.98 v1(1289.66,1188.34)
  L3V w3: 1186.28,509.65 1186.28,1067.97
  L3V w4: v1(1169,46) 1169,67 1159,77 1159,322.63 1130.06,351.57 1130.06,453.43 1186.28,509.65 ; 1186.28,1067.97 1191,1072.69 1191,1132 1247.34,1188.34 v1(1289.66,1188.34)
  L5H w4: v1(600.29,14) 600.29,31.29 615,46 v1(1169,46) v1@1168,45
  Bottom Layer w4: R1.2@597.15,31.12 598.72,29.55 598.72,15.57 v1(600.29,14)
LED_G: Q9.3 R64.1 | length 43
  Top w4: Q9.3@76.77,1291.34 76.77,1269.53 86.5,1259.8 87.45,1259.8 91.38,1255.88 R64.1@91.38,1254.92
LED_G_D: D16.2 R64.2 | length 31.7
  Top w4: R64.2@111.38,1254.92 111.38,1227.2 D16.2@114.17,1224.41
LED_G_INT: Q9.2 R84.1 U10.B12 | length 1137.8
  Top w3: v1(593.49,664.59) 593.49,675.12 614.18,695.81 614.18,698.3 601,711.47 601,718.59 601,719.57 cw(c603.67,720.94) 600.68,720.63 ccw(c588.24,719.49) 589.02,731.97 583.27,737.72 582.85,737.72 579.31,741.25 572.78,747.79 572.4,750.52 ccw(c569.43,750.11) 572.35,750.8 cw(c584.5,753.74) 581.56,765.89 582.12,766.45 583,767.33 583,780.15 583.72,780.87 583.72,799.33 589.45,805.06 591.75,805.06 593.5,806.82 U10.B12@593.5,814.96
  L5H w3: v1(191,1104) 198.41,1096.59 241.59,1096.59 ccw(c247.49,1107.61) 253.39,1096.59 263.07,1096.59 263.95,1095.72 264.15,1095.51 ccw(c274.61,1102.36) 268.6,1091.4 268.89,1091.11 308,1052 317.16,1042.84 317.16,963.49 332,948.65 332,904 343.48,892.52 354.48,892.52 408,839 408,731.95 456.21,683.74 555.16,683.74 555.9,683 578.48,683 590.06,671.42 590.06,670.99 593.49,667.56 v1(593.49,664.59)
  L6V w3: v1(119,1301) 119,1205 135,1189 135,1187 170,1152 170,1125 v1(191,1104)
LED_PGOOD: D1.2 R4.2 | length 1821.4
  Top w4: v1(1219.6,1186.99) 1222.31,1186.99 1224.29,1188.98 D1.2@1244.1,1188.98
  L3V w3: 1178.28,512.97 1178.28,1071.28
  L3V w4: v1(1151,62) 1151,319.31 1122.06,348.25 1122.06,456.75 1178.28,512.97 ; 1178.28,1071.28 1183,1076 1183,1150.39 v1(1219.6,1186.99)
  L5H w4: v1(568.76,14.59) 616.17,62 v1(1151,62)
  Bottom Layer w4: R4.2@568.15,31.12 568.46,30.81 568.46,14.9 v1(568.76,14.59)
LED_R: Q7.3 R65.1 | length 32.1
  Top w4: R65.1@23.46,1226.38 23.46,1248.06 29.34,1253.94 Q7.3@31.5,1253.94
LED_R_D: D16.3 R65.2 | length 47.9
  Top w4: R65.2@43.46,1226.38 45.43,1224.41 D16.3@90.55,1224.41
LED_R_INT: Q7.2 R83.1 U10.E11 | length 1150.2
  Top w3: v1(608.59,829.6) 606.48,831.71 606.48,836.04 604.54,837.98 604.54,852.02 cw(c617,853) 604.54,853.98 604.54,865.36 U10.E11@613.19,874.02
  Top w4: Q7.2@22.64,1281.5 21.5,1282.64 R83.1@21.5,1309.06 22,1309.56 22,1320.49 v1(30.57,1329.06)
  L5H w3: v1(30.57,1329.06) 30.57,1327.66 50.71,1307.52 50.71,1166.29 49.83,1165.41 49.34,1164.91 ccw(c53.03,1152.97) 49.39,1141.01 49.89,1140.51 50.77,1139.63 50.77,1129.76 52.53,1128 130.9,1128 147.38,1111.52 157.74,1111.52 165.06,1118.84 165.06,1132.06 184,1151 270.1,1151 292,1129.1 292,1079.17 327,1044.17 334.84,1044.17 342.16,1036.84 342.16,1021.52 374.5,989.18 374.5,977.82 389,963.32 389,945.9 392.95,941.95 401.22,941.95 461.5,881.67 461.5,835.4 492.9,804 531.11,804 544.7,817.59 606.83,817.59 608.59,819.34 v1(608.59,829.6)
LED_ST: D1.1 R5.2 | length 1345.9
  Top w4: v1(1221.48,1212.64) v1(1221.48,1212.64) D1.1@1244.1,1212.6
  L3V w3: 1170.28,516.28 1170.28,1089.28
  L3V w4: v1(1130,159) 1143,172 1143,316 1114.06,344.94 1114.06,460.06 1170.28,516.28 ; 1170.28,1089.28 1172,1091 1172,1163.16 v1(1221.48,1212.64)
  L5H w4: v1(933,185) 1104,185 v1(1130,159)
LED_ST_INT: Q3.3 R5.1 | length 36
  Bottom Layer w3: Q3.3@897.92,219.93 897.92,184.08 R5.1@898,184
LFXO_N: C138.1 U10.V17 Y1.1 | length 273.2
  Top w3: U10.V17@495.08,1129.92 485.24,1139.76 485.24,1185.24 490.87,1190.87 490.87,1249.04 498,1256.17 v1(498,1257) v1@498,1258
  Bottom Layer w3: Y1.1@406.5,1337.6 438.32,1305.77 465.55,1305.77 465.98,1305.35 475.8,1305.35 498.52,1282.62 v1@498.52,1261.67
LFXO_P: C136.1 U10.W17 Y1.2 | length 182
  Top w3: U10.W17@495.08,1149.61 495.08,1151.15 497.87,1153.94 497.87,1200.39 502.83,1205.35 502.83,1213.13 v1(504.07,1214.37)
  Bottom Layer w3: Y1.2@406.5,1239.18 407.51,1238.16 486.39,1238.16 492.03,1232.52 495.63,1232.52 504.04,1224.11 504.04,1214.41 v1(504.07,1214.37)
LPO_IN: U15.37 X3.3 | length 96.5
  Top w3: v1(222.57,1109.24) 237.46,1094.36 U15.37@237.46,1082.42
  Top w5: U15.37@237.46,1082.42 U15.37@239.17,1080.71
  Bottom Layer w5: X3.3@197.83,1148.62 198.47,1147.99 198.47,1118.46 211,1105.93 216.82,1105.93 220.14,1109.24 v1(222.57,1109.24)
MDI_LED: D19.1 J3.8 R45.1 | length 207.1
  Bottom Layer w4: J3.8@166.5,766.5 197,797 197,872 199.49,874.49 212.09,874.49 R45.1@214.57,876.97
  Bottom Layer w8: D19.1@131.7,713 150.36,731.67 150.36,755.36 J3.8@164,769
MDI_RX_N: IC9.3 J3.7 | length 216.4
  Top w3: J3.7@162.99,662.99 164.5,661.48 164.5,623.25 171.26,616.49 192.28,616.49 206.69,630.91 206.69,702.81 216.59,712.71 235.35,712.71 237.72,715.08 248.55,715.08 IC9.3@252.95,719.49
MDI_RX_P: IC9.4 J3.6 | length 216
  Top w3: J3.6@162.99,562.99 164.5,564.5 164.5,602.73 171.26,609.49 195.18,609.49 213.69,628.01 213.69,699.91 219.49,705.71 236.23,705.71 242.13,699.81 IC9.4@252.95,699.81
MDI_TX_N: IC9.5 J3.5 | length 376.8
  Top w3: J3.5@162.99,462.99 165.34,460.64 165.34,423.25 173.23,415.35 206.69,415.35 224.3,432.96 224.3,664.26 235.75,675.71 248.55,675.71 IC9.5@252.95,680.12
MDI_TX_P: IC9.6 J3.4 | length 368.8
  Top w3: J3.4@162.99,362.99 167.61,367.61 167.61,402.73 173.23,408.35 209.59,408.35 231.3,430.06 231.3,659.21 233.48,661.39 252,661.39 IC9.6@252.95,660.44
MIC_CLK: B6.1 U10.V5 | length 781.4
  Top w3: U10.V5@731.3,1129.92 731.3,1099.38 v1(733.18,1097.5)
  L3V w3: v1(974.5,1054.16) 974.5,1056.23 979.68,1061.41 979.68,1238.32 960.72,1257.28 960.72,1267.72 1059,1366 v1(1059,1425)
  L8H w3: v1(733.18,1097.5) 746.68,1084 771.03,1084 774.03,1087 966,1087 977.69,1075.31 977.69,1060.32 974.5,1057.13 v1(974.5,1054.16)
  Bottom Layer w3: v1(1059,1425) 1059,1424 1078,1405 1089.1,1405 B6.1@1095.47,1398.62
MIC_DATA: B6.2 U10.L8 | length 977.3
  Top w3: U10.L8@672.24,992.13 672.7,992.58 685.13,992.58 v1(685.58,993.03)
  L3V w3: v1(1021.56,1020.41) 1004.5,1037.47 1004.5,1274.5 1174,1444 v1(1195.64,1444)
  L8H w3: v1(685.58,993.03) 709.61,969 974.68,969 1006.84,1001.16 1010.48,1004.8 1010.48,1009.34 v1(1021.56,1020.41)
  Bottom Layer w3: B6.2@1148.62,1398.62 1159.45,1398.62 1165.82,1405 1165.82,1405.82 1180,1420 1180,1428.45 1195.54,1444 v1(1195.64,1444)
MIPI_CSI_CLK_INT_N: U9.9 U10.V16 | length 512.8
  Top w3: 507.26,1184.53 507.76,1184.03 507.76,1166.82 504.87,1163.92 504.87,1145.66 513.67,1136.86 513.67,1131.01 U10.V16@514.76,1129.92
  Top w4: 507.26,1184.53 507.26,1199.18 622.07,1313.98 778.55,1313.98 801.12,1336.55 801.12,1409.11 800.17,1410.06 800.17,1419.32 U9.9@797.24,1422.24
MIPI_CSI_CLK_INT_P: U9.10 U10.W16 | length 490.2
  Top w3: U10.W16@514.76,1149.61 514.76,1151.15 511.87,1154.05 511.87,1161.02 514.76,1163.92 514.76,1184.03 515.26,1184.53
  Top w4: 515.26,1184.53 515.26,1195.87 625.38,1305.98 781.87,1305.98 809.12,1333.24 809.12,1409.11 810.07,1410.06 810.07,1419.32 U9.10@812.99,1422.24
MIPI_CSI_CLK_N: J4.9 U9.8 | length 75
  Top w4: J4.9@788.58,1529.13 791.5,1526.21 791.5,1495.9 797.24,1490.16 U9.8@797.24,1457.68
MIPI_CSI_CLK_P: J4.7 U9.7 | length 73.4
  Top w4: J4.7@808.27,1529.13 808.27,1490.94 812.01,1487.2 812.01,1458.66 U9.7@812.99,1457.68
MIPI_CSI_D0_INT_N: U9.15 U10.V14 | length 571.1
  Top w3: U10.V14@554.13,1129.92 554.13,1131.46 549.56,1136.03 549.56,1140.33 544.24,1145.66 544.24,1155.94 558.52,1170.23
  Top w4: 558.52,1170.23 657.98,1269.68 876.97,1269.68 894.68,1287.4 894.68,1409.11 ; U9.15@891.73,1422.24 894.65,1419.32 894.65,1409.14
MIPI_CSI_D0_INT_P: U9.16 U10.W14 | length 547.3
  Top w3: U10.W14@554.13,1149.61 554.93,1150.4 554.93,1155.32 561.84,1162.23
  Top w4: 561.84,1162.23 661.29,1261.68 880.28,1261.68 907.48,1288.88 U9.16@907.48,1422.24
MIPI_CSI_D0_N: J4.8 U9.2 | length 251.8
  Top w4: J4.8@808.27,1670.87 811.59,1667.55 811.59,1638.22 880.78,1569.02 880.78,1522.76 886.81,1516.73 896.62,1506.92 896.62,1470.44 891.73,1465.55 U9.2@891.73,1457.68
MIPI_CSI_D0_P: J4.6 U9.1 | length 251.2
  Top w4: J4.6@827.95,1670.87 824.8,1667.72 824.8,1636.31 888.78,1572.34 888.78,1526.08 904.62,1510.24 904.62,1466.44 U9.1@913.39,1457.68
MIPI_CSI_D1_INT_N: U9.12 U10.V15 | length 536.8
  Top w3: 526.95,1179.11 526.95,1163.75 524.55,1161.36 524.55,1145.66 533.36,1136.86 533.36,1131.01 U10.V15@534.45,1129.92
  Top w4: 526.45,1179.11 640.32,1292.98 818.57,1292.98 848.43,1322.83 848.43,1396.65 848.36,1396.72 848.36,1409.11 847.41,1410.06 847.41,1419.32 U9.12@844.49,1422.24
MIPI_CSI_D1_INT_P: U9.13 U10.W15 | length 514.5
  Top w3: U10.W15@534.45,1149.61 534.45,1151.15 531.55,1154.05 531.55,1158.46 534.45,1161.35 534.45,1175.79
  Top w4: 534.45,1175.79 643.64,1284.98 815.25,1284.98 821.88,1284.98 856.43,1319.52 856.43,1399.97 856.36,1400.03 856.36,1409.11 857.31,1410.06 857.31,1419.32 U9.13@860.24,1422.24
MIPI_CSI_D1_N: J4.3 U9.5 | length 72.8
  Top w4: U9.5@844.49,1457.68 844.49,1525.98 J4.3@847.64,1529.13
MIPI_CSI_D1_P: J4.1 U9.4 | length 74.4
  Top w4: U9.4@860.24,1457.68 860.24,1489.17 866.14,1495.08 866.14,1527.95 J4.1@867.32,1529.13
MIPI_DSI_CLK_INT_N: U10.V10 U14.13 | length 147.5
  Top w3: U10.V10@632.87,1129.92 622.98,1139.82 622.98,1161.42 644.74,1183.18 686.13,1183.18 690.09,1187.14 690.09,1213.02 689.77,1213.34 689.77,1218.17 v1(687.66,1220.27)
MIPI_DSI_CLK_INT_P: U10.W10 U14.12 | length 125.3
  Top w3: U10.W10@632.87,1149.61 632.87,1161.42 647.64,1176.18 689.03,1176.18 697.09,1184.24 697.09,1211.93 v1(705.66,1220.49)
MIPI_DSI_CLK_N: J7.5 U14.4 | length 273.7
  Bottom Layer w3: J7.5@582.68,1478.35 582.68,1450.85 597.93,1435.59 597.93,1371.28 635.66,1333.55 674.32,1333.55 692.91,1314.96 692.91,1294.29 692.4,1293.78 692.4,1278.03 U14.4@688.98,1274.61
MIPI_DSI_CLK_P: J7.6 U14.5 | length 274.8
  Bottom Layer w3: J7.6@622.05,1478.35 611.55,1467.85 611.55,1440.13 604.93,1433.51 604.93,1374.18 638.56,1340.55 677.22,1340.55 699.91,1317.86 699.91,1294.29 701.3,1292.9 701.3,1278.03 U14.5@704.72,1274.61
MIPI_DSI_D0_INT_N: U10.V11 U14.10 | length 220
  Top w3: U10.V11@613.19,1129.92 603.29,1139.82 603.29,1178.15 667.38,1242.24 717.51,1242.24 v1(736.5,1223.24)
MIPI_DSI_D0_INT_P: U10.W11 U14.9 | length 234.2
  Top w3: U10.W11@613.19,1149.61 613.19,1178.15 670.28,1235.24 713.52,1235.24 720.93,1227.82 720.93,1218.04 728.35,1210.63 749.84,1210.63 v1(749.95,1210.74)
  Bottom Layer w3: v1(749.95,1210.74) 751.97,1212.76 U14.9@751.97,1239.17
MIPI_DSI_D0_N: J7.8 U14.7 | length 223.9
  Bottom Layer w3: J7.8@700.79,1478.35 710.59,1468.55 710.59,1436.28 718.29,1428.58 718.29,1418.22 716.04,1415.98 716.04,1333.12 cw(c703.6,1331.85) 716.04,1330.58 716.04,1318.23 740.59,1293.68 740.59,1286.85 736.22,1282.48 U14.7@736.22,1274.61
MIPI_DSI_D0_P: J7.9 U14.8 | length 224.3
  Bottom Layer w3: J7.9@740.16,1478.35 740.16,1450.85 729.66,1440.35 727.05,1440.35 725.29,1438.59 725.29,1415.32 723.04,1413.08 723.04,1333.43 cw(c703.6,1331.85) 723.04,1330.26 723.04,1321.13 747.59,1296.58 747.59,1286.85 751.97,1282.48 U14.8@751.97,1274.61
MIPI_DSI_D1_INT_N: U10.V9 U14.16 | length 150.2
  Top w3: v1(645.17,1120.73) 645.17,1121.63 652.56,1129.02 U10.V9@652.56,1129.92
  Bottom Layer w3: U14.16@641.73,1239.17 645.15,1235.75 645.15,1221.97 645.67,1221.46 645.67,1182.14 624.84,1161.32 624.84,1139.58 643.69,1120.73 v1(645.17,1120.73)
MIPI_DSI_D1_INT_P: U10.W9 U14.15 | length 117.2
  Bottom Layer w3: v1(647.29,1144.34) 646.75,1144.88 637.57,1144.88 631.84,1150.61 631.84,1158.42 652.67,1179.24 652.67,1221.46 654.06,1222.85 654.06,1235.75 U14.15@657.48,1239.17
MIPI_DSI_D1_N: J7.2 U14.1 | length 365.3
  Bottom Layer w3: J7.2@464.57,1478.35 465.22,1479 466,1479 466,1478.35 466,1449.41 475.07,1440.35 477.02,1440.35 483.03,1434.33 483.03,1329.9 502.02,1310.91 637.91,1310.91 645.67,1303.15 645.67,1294.29 645.15,1293.78 645.15,1283.93 U14.1@635.83,1274.61
MIPI_DSI_D1_P: J7.3 U14.2 | length 358.5
  Bottom Layer w3: J7.3@503.94,1478.35 503.94,1450.85 490.03,1436.94 490.03,1332.8 504.92,1317.91 640.81,1317.91 652.67,1306.05 652.67,1294.29 654.06,1292.9 654.06,1278.03 U14.2@657.48,1274.61
MIPI_R: R70.2 U10.V13 | length 60.4
  Top w3: U10.V13@573.82,1129.92 573.82,1115.16 583.66,1105.32 602.36,1105.32 611.07,1114.02 v1(611.07,1114.72)
NetC100_2: C100.2 R99.2 U4.4 | length 170.3
  Top w3: U4.4@963.52,461.43 1067,461.43 1069.51,463.94 1082.49,463.94 1085.43,461 1092.15,461 1092.39,460.77 1096.23,460.77 C100.2@1099,458
  Bottom Layer w3: v1@1100,458 1100,444 1106,438 1106,437.31 1111.31,432 R99.2@1112,432
  other v1: 1100,460
NetC101_2: C101.2 R98.2 U4.5 | length 134.1
  Top w3: U4.5@963.52,477.18 981.82,477.18 990.57,468.43 1064.1,468.43 1066.61,470.94 1075.94,470.94 C101.2@1088,483
  other v1: 1099.41,480.32
NetQ6_2: Q6.2 R80.1 R81.2 U3.6 | length 121.9
  Top w6: U3.6@1110.94,1254.82 1129.48,1254.82 R81.2@1144,1240.3 ; R80.1@1144,1204.7 R81.2@1144,1240.3 ; Q6.2@1178.14,1267.78 1178.14,1264.83 1176.22,1262.91 1173.27,1262.91 1156.93,1246.57 1150.27,1246.57 R81.2@1144,1240.3
NetQ6_3: Q6.3 R79.1 | length 38.7
  Top w6: R79.1@1181,1204.7 1181,1235.35 1185.87,1240.22 Q6.3@1187,1240.22
NetQ13_3: Q13.3 Q14.3 | length 43
  Top w8: Q14.3@1344.49,904.53 1345.54,904.53 1349.41,908.4 Q13.3@1349.41,944.88
NetR66_1: R66.1 R68.1 S1.2 S1.3 S1.4 | length 238.7
  Top w4: R68.1@290.35,1597.44 R66.1@324.8,1597.44 324.8,1646.32 S1.3@329.32,1650.83
  Top w20: S1.4@254.32,1658.83 S1.2@403.32,1658.83
P0_MOSI: J2.8 U11.20 | length 471.9
  L5H w3: J2.8@62.99,762.99 110,715.98 110,633 129,614 195,614 273,536 v1(327,536)
  Bottom Layer w3: U11.20@281.5,512.59 285.9,516.99 285.9,529.9 295,539 324,539 v1(327,536)
P0_MOSI_INT: U10.B3 U11.1 | length 784.4
  Top w3: U10.B3@770.67,814.96 780.57,805.06 780.57,703.45 826.16,657.86 v1(826.16,640.07)
  L5H w3: v1(325,517) 441,517 472.9,548.9 472.9,563.9 478.62,569.62 482.7,569.62 496.96,583.88 709.88,583.88 766.07,640.07 v1(826.16,640.07)
  Bottom Layer w3: U11.1@301.18,512.59 320.59,512.59 v1(325,517)
P1_CAN_TXD_INT: R46.2 U10.A10 | length 637.3
  Top w3: R46.2@250,513.78 250,554 275,579 382.65,579 386.55,575.1 407.33,575.1 414.79,582.56 422.1,582.56 433.94,594.4 439.56,594.4 v1(441.66,596.5) ; v1(624.22,719.46) 622.11,721.57 622.11,726.29 616.88,731.53 616.88,741.88 625.81,750.82 632.06,750.82 641,759.76 641,787.15 U10.A10@632.87,795.28
  L6V w3: v1(441.66,596.5) 572.5,596.5 577,601 577,670 585,678 608,678 624.22,694.22 v1(624.22,719.46)
P1_MISO: J2.7 U11.18 | length 328.7
  Bottom Layer w3: J2.7@62.99,662.99 112.79,613.19 187.99,613.19 210.63,590.55 210.63,562 205.49,556.86 205.49,545.39 197,536.9 197,513.69 207.79,502.9 207.79,493.98 225.79,475.99 243.84,475.99 U11.18@244.43,475.39
P1_MISO_INT: R46.1 U10.B8 U11.3 | length 1244
  Top w3: R46.1@250,476.38 v1(359.25,476.38) ; v1(669.88,853.96) 672.86,853.96 676.66,857.77 680.46,857.77 686,852.23 686,828.72 U10.B8@672.24,814.96
  L5H w3: v1(359.25,476.38) 342.61,459.74 342.61,347.39 368.56,321.44 666.44,321.44 677.89,332.89 690.16,332.89 695.66,338.39 v1(697.42,338.39)
  L6V w3: v1(669.88,853.96) 671.98,851.86 677.56,851.86 679.74,849.68 679.74,821.3 685,816.04 685,782.13 701,766.13 ; v1(697.42,338.39) 697.42,339.57 703.5,345.64 703.5,408.4 685,426.9 685,501.68 690.49,507.17 690.49,521.6 689,523.09 689,578 698,587 698,609 686,621 686,728 706,748 706,755.33 ccw(c703,755.33) 705.08,757.49 705.04,757.53 ccw(c702.91,755.42) 704.98,757.59 cw(c713.57,766.67) 701.12,765.53 ccw(c698.14,765.23) 701,766.13 ; 701.07,766.06 701,766.13
P2_SCLK: J2.6 U11.17 | length 237.4
  Bottom Layer w3: J2.6@62.99,562.99 113.18,512.8 187.99,512.8 200.79,500 200.79,491.08 206.69,485.18 206.69,484.25 212.6,478.35 212.6,468.5 225.39,455.71 U11.17@244.43,455.71
P2_SCLK_INT: U10.D1 U11.4 | length 1177.5
  Top w3: U10.D1@810.04,854.33 811.58,854.33 814.48,851.43 819.32,851.43 824.08,846.68 854.45,846.68 869.4,831.73 869.4,826.82 v1(871.5,824.72)
  L3V w3: v1(871.5,824.72) 890,806.22 890,780 855,745 855,602 857.85,599.15 879.87,599.15 883.02,596 v1(886,596)
  L5H w3: v1(377.23,436.45) 403.68,410 420,410 421.5,411.5 422.18,411.5 429.68,419 573,419 580,412 630,412 640,422 640,438 658,456 740.5,456 756,471.5 756,483 768,495 795,495 832,458 907,458 920,471 920,500 880,540 880,590 v1(886,596)
  Bottom Layer w3: U11.4@338.24,455.71 357.97,455.71 v1(377.23,436.45)
P3_CAN_RXD_INT: R47.2 U10.F5 | length 1408.5
  Top w3: R47.2@250,404.53 255.07,399.45 v1(255.07,325.89) ; U10.F5@731.3,893.7 750.27,893.7 770.91,873.06 773.3,873.06 782.24,864.12 816.06,864.12 821.75,858.43 830.17,858.43 834.61,854 864,854 888,830 888,805.96 875.81,793.77 v1(875.81,792.5)
  L3V w3: v1(866.62,408.67) 849.11,408.67 813,444.78 813,512 853.36,552.36 853.36,569.32 848,574.68 848,752 875.81,779.81 v1(875.81,792.5)
  L5H w3: v1(255.07,325.89) 273.11,325.89 284.56,314.44 671.72,314.44 683.16,325.89 721.89,325.89 752,356 813.96,356 v1(866.62,408.67)
P3_NSS: J2.5 U11.16 | length 206.7
  Bottom Layer w3: J2.5@62.99,462.99 106.94,419.04 198.56,419.04 215.55,436.02 U11.16@244.43,436.02
P3_SSEL_INT: R47.1 U10.A8 U11.5 | length 1061.7
  Top w3: R47.1@250,441.93 255.46,436.47 v1(359.11,436.51) v1(359.11,436.51) ; v1(665,836.64) 662.89,834.53 662.89,829.93 662.35,829.38 662.35,805.17 U10.A8@672.24,795.28
  L5H w3: v1(359.11,436.51) 350.39,427.78 350.39,415.75 384.14,382 437,382 445.27,373.73 489.16,373.73 491.42,376 496,376 507,387 648.1,387 657.1,378 668.66,378 681.76,364.9 681.76,361.03 684.18,358.6 688.9,358.6 v1(691,356.5)
  L6V w3: v1(665,836.64) 665,795.68 676.16,784.52 676.16,639.16 669,632 669,576 664,571 664,497 677,484 677,425 691,411 v1(691,356.5)
P4_SCL: J2.4 U11.15 | length 203.5
  Bottom Layer w3: J2.4@62.99,362.99 112.04,412.04 201.46,412.04 205.77,416.34 U11.15@244.43,416.34
P4_SCL_INT: U10.N15 U11.6 | length 1075.3
  Top w3: U10.N15@534.45,1030.61 v1(551,1014.06)
  L6V w3: v1(370,416) 393,416 428,381 428,355 410,337 346,337 313,370 313,419 310,422 310,543.4 336,569.4 336,589.7 383,636.7 383,750.7 423.3,791 431,791 433,793 440,793 450,803 450,848.36 452.2,850.56 452.2,853.2 454,855 454,857.42 457.95,861.37 457.95,867.65 461.65,871.35 461.65,978.65 481,998 534.94,998 v1(551,1014.06)
  Bottom Layer w3: U11.6@338.24,416.34 338.58,416 v1(370,416)
P5_SDA: J2.3 U11.14 | length 261.6
  Bottom Layer w3: J2.3@62.99,262.99 117.91,317.91 185.04,317.91 206.69,339.57 206.69,381.89 221.46,396.65 U11.14@244.43,396.65